# KiCad board SparkFun_RTK_mosaic-T_panelized.kicad_pcb (continued)
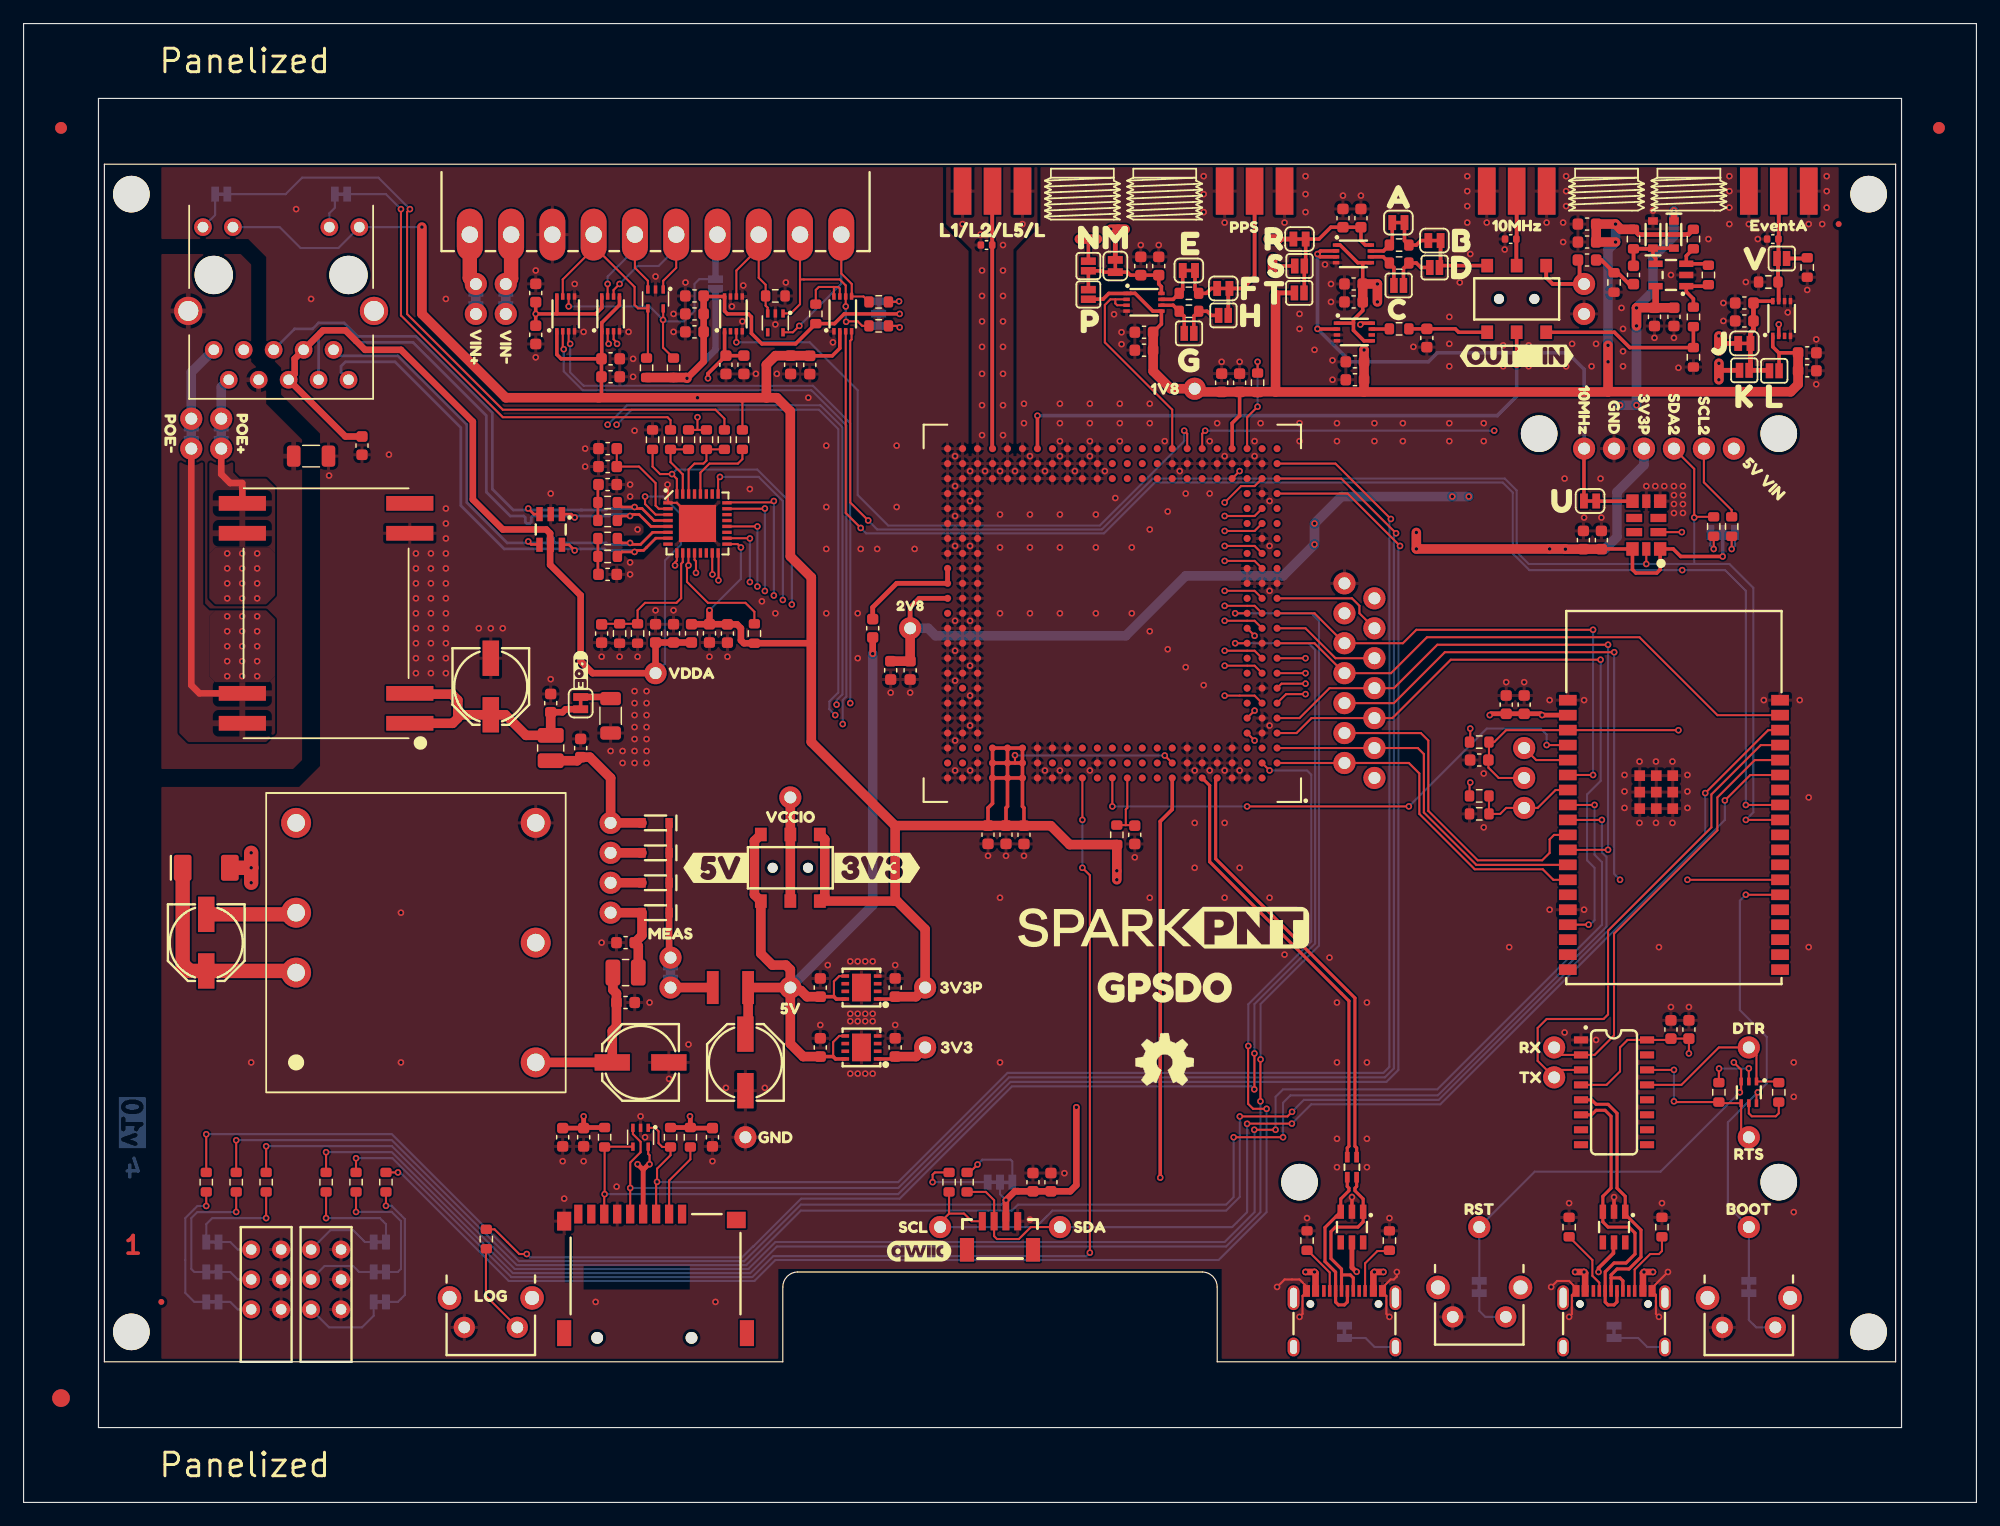
[diagram p0: board, top side]
## Routing (per net, layer and track width the routed paths; a pad name or vN(x,y) marks a point on that pad's centre or on a via; arc(x,y) is an arc through that point) (continued)
ESP19/SCL2: length 142.8
  Top w0.178: R32.2 144.85,84.19 142.49,86.54 TP27.1 ; v1(70.99,82.67) 69.72,83.94 U18.3 ; v1(146.05,59.17) U1.31 ; v1(140.62,82.32) U13.2
  In2.Cu w0.178: TP27.1 142.49,83.18 141.63,82.32 v1(140.62,82.32) 140.65,82.28 v1(140.65,79.09) 140.65,78.85
  Bottom w0.178: v1(70.99,82.67) 71.45,82.21 91.61,82.21 95.93,86.53 125.42,86.53 126.28,85.67 126.28,80.5 127.69,79.09 v1(140.65,79.09) 144.29,79.09 146.05,77.34 v1(146.05,59.17)
ESP21/SDA: length 94.2
  Top w0.178: v1(144.27,59.56) 146.42,61.71 U1.33 ; 107.56,32.12 v1(107.55,32.14) 103.77,32.14 v1(103.75,32.12) ; R4.1 81.59,26.34 82.3,25.64 J7.3 82.3,22.59 82.55,22.34 84.4,22.34 85.42,23.36 TP26.1
  Bottom w0.178: v1(144.27,59.56) 144.27,57.9 120.14,33.77 109.19,33.77 v1(107.55,32.14) ; TP26.1 102.49,23.36 103.75,24.63 v1(103.75,32.12) 103.75,32.25
ESP22/SCL: length 101.1
  Top w0.178: v1(103.13,32.74) 107.17,32.74 v1(107.56,33.14) ; U1.36 147.95,65.52 v1(142.6,60.18) ; 78.48,24.5 R6.1 ; 78.48,24.5 77.72,23.74 TP25.1 ; 78.48,24.5 79.75,24.5 80.4,23.86 J7.4
  Bottom w0.178: 142.62,60.16 v1(142.6,60.18) 142.6,56.75 120.01,34.16 108.58,34.16 v1(107.56,33.14) ; TP25.1 85.85,23.36 87.25,24.76 101.98,24.76 103.13,25.91 v1(103.13,32.74) 103.12,32.76
ESP23/MRX3: length 47.7
  Top w0.178: U2.K1 109.47,72.89 TP16.1 115.96,70.35 119,73.4 137.03,73.4 143.64,66.79 U1.37
ESP25/MRX4: length 37.3
  Top w0.178: U1.10 129.78,56.63 129.41,56.25 129.41,55.11 128.77,54.48 123.31,54.48 119.12,58.67 119.12,64.64 118.49,65.27 TP10.1 ; U2.D3 v1(104.39,64.64)
  In2.Cu w0.178: v1(104.39,64.64) 107.82,64.64 108.45,65.27 TP10.1
ESP26/MCTS1: length 51.5
  Top w0.178: v1(134.36,72.76) 119.88,72.76 116.2,69.08 TP15.1 110.74,69.08 108.2,66.54 U2.E1 ; v1(134.36,55.36) 132.58,55.36 132.58,55.36 U1.11
  Bottom w0.178: v1(134.36,55.36) v1(134.36,72.76)
ESP27/MRTS1: length 31.7
  Top w0.178: U1.12 123.19,54.09 118.74,58.54 118.74,63.49 118.23,64 TP14.1 U2.C1
ESP32/LED_ERROR: length 150.4
  Top w0.178: R12.2 v1(20.57,30.22) ; v1(133.22,59.17) 133.21,59.17 U1.8 ; v1(104.36,31.62) v1(106.17,31.62)
  Bottom w0.178: v1(133.22,59.17) 133.22,54.95 133.85,54.32 133.85,49.01 119.88,35.04 106.8,35.04 106.17,34.41 v1(106.17,31.62) ; v1(20.57,30.22) 20.58,30.23 31.22,30.23 41.65,19.8 61.46,19.8 63.75,22.09 101.85,22.09 104.39,24.63 104.39,31.59 v1(104.36,31.62)
ESP33/LED_LOCK: length 152
  Top w0.178: v1(102.61,30.98) v1(106.8,30.98) ; v1(133.84,57.9) 133.84,57.9 U1.9 ; R13.2 v1(18.03,30.73)
  Bottom w0.178: v1(102.61,30.98) 102.61,25.9 101.98,25.27 84.32,25.27 83.82,24.76 65.91,24.76 61.29,20.13 41.83,20.13 31.22,30.74 18.04,30.74 v1(18.03,30.73) ; v1(133.84,57.9) 133.84,55.15 134.24,54.75 134.24,48.85 119.93,34.54 107.44,34.54 106.8,33.9 v1(106.8,30.98)
ESP34/MTX3: length 42.8
  Top w0.178: v1(133.09,74.03) 118.11,74.03 116.96,72.89 TP17.1 109.47,75.43 U2.M1 ; U1.6 130.96,61.71 v1(133.09,61.71)
  Bottom w0.178: v1(133.09,61.71) v1(133.09,74.03)
ESP35/DeviceSense: length 9
  Top w0.178: 130.95,60.44 129.91,60.44 128.39,58.92 TP24.1 125.73,58.92 125.22,58.41 R8.1 R7.2
ESP36/MRDY: length 44.9
  Top w0.178: U2.A12 v1(92.32,59.05) ; v1(103.75,59.05) v1(117.47,59.05) ; U1.4 129.16,64.25 v1(129.16,64.25)
  Bottom w0.178: v1(117.47,59.05) 124.07,65.65 128.65,65.65 129.16,65.14 v1(129.16,64.25) ; v1(103.75,59.05) v1(92.32,59.05)
ESP_DM: length 24.9
  Top w0.267: J4.A7 135.12,17.01 134.87,16.76 134.36,16.76 134.12,17 J4.B7 134.12,19.56 134.87,20.31 135.89,20.31 136.65,21.07 136.65,22.85 136.14,23.36 134.36,23.36 133.92,23.8 D3.3 133.92,25.97 134.62,26.66 134.62,32.76 134.11,33.27 133.35,33.27 132.97,32.89 U3.6
ESP_DP: length 23
  Top w0.267: J4.A6 134.62,19.04 ; 134.62,19.04 134.62,19.3 135.12,19.8 136.14,19.8 137.16,20.82 137.16,23.11 135.82,24.44 D3.1 135.82,25.97 135.12,26.66 135.12,33.01 134.36,33.77 133.35,33.77 132.97,34.16 132.07,34.16 ; 134.62,19.04 135.38,19.04 135.62,18.8 J4.B6
ESP_~{RST}: length 86.4
  Top w0.178: TP1.1 125.09,61.46 124.22,62.34 C8.1 124.26,63.03 R1.2 124.71,64.51 125.72,65.52 U1.3 140.32,65.52 v1(140.33,65.51) ; v1(145.03,37.33) 145.65,36.71 Q1.3 145.65,34.9 v1(145.54,34.79)
  In2.Cu w0.178: v1(145.03,37.33) 143.12,39.24 143.12,62.73 140.34,65.51 v1(140.33,65.51)
  Bottom w0.178: JP10.2 TP37.1 128.14,28.06 138.81,28.06 v1(145.54,34.79)
ETH_CLK: length 53.9
  Top w0.178: v1(101.85,84.83) 103.25,86.23 104.39,86.23 U2.AA2 ; U4.9 55.4,79.9 55.24,79.75 v1(55.24,79.49)
  In2.Cu w0.178: v1(101.85,84.83) 98.8,84.83 94.1,80.13 56,80.13 v1(55.24,79.49)
ETH_MDC: length 51.6
  Top w0.178: 56.91,80.54 U4.12 56.9,79.97 57.02,79.85 v1(57.02,78.86) 56.91,78.87 ; U2.V2 104.39,82.42 v1(101.85,82.42)
  In2.Cu w0.178: v1(101.85,82.42) 97.41,82.42 94.36,79.37 57.53,79.37 v1(57.02,78.86)
ETH_MDIO: length 60.9
  Top w0.178: R33.2 61.97,75.56 61.21,76.32 58.03,76.32 56.26,78.1 56.26,79.37 v1(56.38,79.49) 56.38,80.54 U4.11 ; U2.W2 104.39,83.69 v1(101.85,83.69)
  In2.Cu w0.178: v1(56.38,79.49) 56.64,79.75 94.23,79.75 98.17,83.69 v1(101.85,83.69)
ETH_RXD0: length 50.4
  Top w0.178: v1(101.85,79.88) 104.39,79.88 U2.R2 ; v1(58.92,78.22) 58.94,78.24 58.94,80.51 U4.16
  In2.Cu w0.178: v1(101.85,79.88) 95.88,79.88 94.61,78.61 93.21,78.61 ; 94.23,78.61 59.31,78.61 v1(58.92,78.22)
ETH_RXD1: length 50.2
  Top w0.178: v1(101.85,81.15) 104.39,81.15 U2.T2 ; v1(58.42,78.73) 58.4,78.75 U4.15
  In2.Cu w0.178: v1(101.85,81.15) 96.64,81.15 94.48,78.99 93.09,78.99 ; 93.59,78.99 58.67,78.99 v1(58.42,78.73)
ETH_RXDV: length 49.8
  Top w0.178: U2.N2 104.39,77.34 v1(101.85,77.34) ; U4.18 61.57,81.8 v1(61.59,81.78)
  In2.Cu w0.178: v1(61.59,78.08) 61.73,78.22 94.61,78.22 95.5,77.34 v1(101.85,77.34)
  Bottom w0.178: v1(61.59,78.08) v1(61.59,81.78)
ETH_RXER: length 51.5
  Top w0.178: v1(101.85,76.07) 104.39,76.07 U2.M2 ; U4.20 62.22,82.8 v1(62.23,82.8)
  In2.Cu w0.178: v1(101.85,76.07) 96.26,76.07 94.48,77.84 62.37,77.84 v1(62.23,77.7)
  Bottom w0.178: v1(62.23,77.7) v1(62.23,82.8)
ETH_TXD0: length 55.8
  Top w0.178: v1(63.62,84.96) 63.51,84.84 59.69,84.84 U4.24 ; U2.J2 104.39,72.26 v1(101.85,72.26)
  In2.Cu w0.178: v1(101.85,72.26) 99.06,72.26 94.23,77.08 63.76,77.08 v1(63.62,76.94)
  Bottom w0.178: v1(63.62,76.94) v1(63.62,84.96)
ETH_TXD1: length 59.4
  Top w0.178: U2.H2 104.39,70.99 v1(101.85,70.99) ; v1(59.05,87) 58.9,86.85 U4.25
  In2.Cu w0.178: v1(101.85,70.99) 99.82,70.99 94.1,76.7 64.53,76.7 v1(64.38,76.56)
  Bottom w0.178: v1(64.38,76.56) 64.38,84.96 62.34,87 v1(59.05,87) 59.05,86.99
ETH_TXEN: length 53.8
  Top w0.178: U2.L2 104.39,74.8 v1(101.85,74.8) ; v1(62.86,84.32) 62.84,84.3 U4.23
  In2.Cu w0.178: v1(62.86,77.32) 63,77.46 94.36,77.46 97.02,74.8 v1(101.85,74.8)
  Bottom w0.178: v1(62.86,77.32) v1(62.86,84.32)
ETH_~{RST}: length 68.7
  Top w0.178: 53.34,89.34 53.34,87.88 53.97,87.24 v1(54.99,87.24) 55.4,86.83 U4.32 ; v1(101.85,68.45) 104.39,68.45 U2.F2
  In2.Cu w0.178: v1(65.15,76.18) 65.29,76.32 93.98,76.32 v1(101.85,68.45)
  Bottom w0.178: v1(65.15,76.18) 65.15,84.7 62.23,87.62 55.37,87.62 v1(54.99,87.24)
LED_LOG: length 126.1
  Top w0.178: v1(105.41,33.39) 104.26,33.39 103.84,33.81 103.84,38.71 v1(103.86,38.73) ; v1(31.75,28) R42.2 ; U2.B2 v1(105.66,62.1)
  Bottom w0.178: v1(103.86,38.73) 103.86,42.26 109.19,47.59 109.19,61.74 108.84,62.1 v1(105.66,62.1) ; v1(31.75,28) 31.94,28 41.14,18.79 61.97,18.79 63.75,20.57 101.34,20.57 105.41,24.63 v1(105.41,33.39)
LED_PVT: length 109
  Top w0.178: U2.A14 v1(89.78,57.9) ; v1(90.42,21.19) 90.42,53.21 v1(89.78,53.84) ; R40.2 v1(28.19,29.2)
  Bottom w0.178: v1(89.78,57.9) v1(89.78,53.84) ; v1(28.19,29.2) 31.28,29.2 41.36,19.12 61.79,19.12 63.57,20.9 90.13,20.9 v1(90.42,21.19)
LED_RTK: length 148
  Top w0.178: U2.M3 v1(102.74,75.43) ; v1(104.88,34.03) 104.88,37.57 v1(104.9,37.58) ; R39.2 v1(25.65,29.71)
  Bottom w0.178: v1(104.88,34.03) 104.88,24.62 101.98,21.71 63.88,21.71 61.62,19.45 41.5,19.45 31.22,29.72 25.66,29.72 v1(25.65,29.71) ; v1(102.74,75.43) 109.22,75.43 109.85,74.8 109.85,47.24 104.9,42.28 v1(104.9,37.58)
LINK: length 6.4
  Top w0.178: U4.30 56.4,87.63 56.89,88.13 57.65,88.13 57.91,88.38 57.91,89.34 59.43,89.34
LOG_BTN: length 119.7
  Top w0.178: v1(42.67,21.07) 42.03,21.07 39.94,23.17 R37.1 ; v1(104.36,35.04) 104.38,35.06 v1(104.38,38.09) ; U2.K3 v1(102.74,72.89)
  Bottom w0.178: v1(42.67,21.07) 42.95,20.79 60.93,20.79 61.84,21.71 61.89,21.71 65.95,25.77 74.29,25.77 83.82,35.3 104.11,35.3 v1(104.36,35.04) ; v1(102.74,72.89) 108.96,72.89 109.52,72.33 109.52,47.41 104.38,42.27 v1(104.38,38.09)
MCTS2: length 95.5
  Top w0.178: v1(46.35,98.29) 46.22,98.42 U9.3 ; U2.J1 v1(108.71,71.62)
  In2.Cu w0.178: v1(108.71,71.62) 105.91,71.62 101.98,67.68 70.23,67.68 v1(70.1,67.81)
  Bottom w0.178: v1(46.35,98.29) 46.35,95.88 47.49,94.73 66.93,94.73 70.1,91.56 v1(70.1,67.81)
MCTS2_I: length 25.1
  Top w0.178: U9.6 46.22,101.47 v1(46.22,101.47) ; D13.5 54.24,100.34 v1(54.22,100.32) 54.22,97.97 R16.2
  Bottom w0.178: v1(46.22,101.47) 53.08,101.47 v1(54.22,100.32) 54.35,100.2 56,100.2 56.89,101.08 56.89,103.37 57.3,103.78 JP15.1
  Bottom w0.559: JP15.1 58.67,107.39 J9.4
MEventA_1V8: length 57.5
  Top w0.178: U2.AC6 99.94,90.67 v1(100.2,90.92)
  Top w0.305: U10.2 148.84,98.97 v1(148.84,99.94)
  In2.Cu w0.178: v1(148.84,99.94) 148.84,97.27 143.89,92.32 135,92.32 133.85,93.46 127.25,93.46 v1(124.71,90.92)
  Bottom w0.178: v1(100.2,90.92) v1(124.71,90.92)
MEventB_1V8: length 56.1
  Top w0.178: 60.46,99.34 U12.3 v1(60.44,98.42) 60.45,98.42 ; v1(98.42,90.92) 98.68,90.67 98.68,89.4
  Bottom w0.178: v1(98.42,90.92) 98.42,90.04 91.26,82.87 73.33,82.87 70.74,85.46 70.74,94.35 66.67,98.42 v1(60.44,98.42)
MEventB_I: length 17
  Top w0.178: D14.3 63.1,101.35 62.93,101.53 R44.1 62.93,103.31 62.34,103.89 J9.3 62.34,106.41 60.44,104.51 U12.6
  Top w0.305: 62.34,106.28 J9.3 62.34,106.18
  Bottom w0.178: 62.34,106.28 J9.3
MOSAIC_DM: length 37.4
  Top w0.267: U2.A6 100.58,60.83 100.58,54.35 112.39,42.54 112.39,30.22 112.25,30.07 TR1.2
MOSAIC_DP: length 37.2
  Top w0.267: 101.22,61.46 101.09,61.33 101.09,54.6 112.9,42.79 112.9,30.22 113.04,30.07 113.04,29.29
MOSAIC_RF_IN: length 21.9
  Top w0.33: J1.1 82.14,111.22 D1.2 82.14,89.56 82.16,89.53 U2.AC20
MPPS_1V8: length 18
  Top w0.178: 92.58,102.07 92.58,101.72 92.73,101.57 U16.3 ; 92.58,102.07 92.16,102.07 91.69,101.59 91.69,98.42 97.41,92.7 U2.AC8 ; 92.58,102.07 U16.2
MRTS2: length 96.4
  Top w0.178: U2.G1 106.68,69.46 v1(108.71,69.46) ; U8.3 50.03,98.68 50.33,98.38 v1(50.33,98.29)
  In2.Cu w0.178: v1(108.71,69.46) 104.77,69.46 102.23,66.92 68.96,66.92 v1(68.83,66.79) ; v1(50.33,98.29) 50.29,98.25 v1(50.29,91.43)
  Bottom w0.178: v1(68.83,66.79) 68.32,67.3 68.32,67.94 69.08,68.7 69.08,91.05 67.43,92.7 51.56,92.7 v1(50.29,91.43)
MRTS2_O: length 13.6
  Top w0.178: v1(50.54,103.37) 50.03,102.86 U8.6 ; D13.1 54.24,103.64 55.34,104.74 J9.5
  Bottom w0.178: J9.5 55.34,106.39 53.84,104.89 52.07,104.89 v1(50.54,103.37)
MRX2: length 97.9
  Top w0.178: v1(108.71,68.57) 107.06,68.57 U2.F1 ; v1(45.8,97.83) 45.84,97.79 45.84,97.78 45.72,97.91 U9.2
  In2.Cu w0.178: v1(69.47,66.03) 69.97,66.54 102.36,66.54 104.39,68.57 v1(108.71,68.57)
  Bottom w0.178: v1(69.47,66.03) 69.47,68.06 69.77,68.37 69.77,91.38 66.8,94.35 47.41,94.35 45.8,95.96 v1(45.8,97.83)
MRX2_I: length 19.2
  Top w0.178: R41.2 52.94,97.2 D13.4 52.1,101.3 51.81,101.59 51.81,103.12 48.34,106.59 J9.7 48.34,106.38 45.72,103.76 U9.7
MTX2: length 96.8
  Top w0.178: U2.H1 v1(108.71,70.35) ; v1(49.61,98.29) 49.53,98.37 U8.2
  In2.Cu w0.178: v1(49.53,91.43) 49.53,98.29 v1(49.61,98.29) ; v1(68.94,67.68) 68.96,67.68 69.35,67.29 80.5,67.29 80.51,67.3 102.1,67.3 105.15,70.35 v1(108.71,70.35)
  Bottom w0.178: v1(49.53,91.43) 51.18,93.08 67.56,93.08 69.44,91.2 69.44,68.55 68.94,68.05 v1(68.94,67.68)
MTX2_O: length 11.3
  Top w0.178: J9.6 51.84,104.74 52.94,103.64 D13.3 ; U8.7 49.53,102.55 49.53,102.56 v1(49.53,103.37)
  Bottom w0.178: J9.6 51.84,106.32 49.53,104.01 v1(49.53,103.37)
POE+: length 3.6
  Bottom w0.813: JP4.1 16.76,94.61 J5.9
POE-: length 6.6
  Bottom w0.813: J5.10 14.22,95.88 JP5.1
RD+: length 48.3
  Top w0.229: R22.1 50.73,83.69 v1(51.43,83.69) 51.56,83.81 52.19,83.81 53.21,82.8 U4.5 ; v1(46.73,83.56) 46.45,83.84 D6.1
  Bottom w0.229: v1(51.43,83.69) 51.3,83.81 49.78,83.81 49.65,83.69 46.86,83.69 v1(46.73,83.56) 46.6,83.69 43.18,83.69 43.05,83.56 43.05,83.18 42.92,83.05 42.67,83.05 42.54,83.18 42.54,83.56 42.41,83.69 41.27,83.69 39.24,85.72 39.24,92.19 33.02,98.42 28.06,98.42 26.92,99.56 25.27,99.56 25.02,99.31 J5.3
RD-: length 48.5
  Top w0.229: R21.1 50.73,84.45 v1(51.81,84.45) 51.94,84.32 52.45,84.32 53.47,83.3 U4.4 ; D6.3 43.27,83.84 v1(42.79,84.32)
  Bottom w0.229: J5.6 22.98,99.56 24.51,99.56 25.02,100.07 27.17,100.07 28.32,98.93 33.27,98.93 39.75,92.45 39.75,85.97 41.53,84.19 42.67,84.19 v1(42.79,84.32) 42.92,84.19 47.37,84.19 47.24,84.19 49.4,84.19 49.53,84.32 51.69,84.32 v1(51.81,84.45)
REF_IN: length 49.5
  Top w0.305: 126.62,99.28 v1(126.62,96.51) ; U2.AC17 v1(85.97,92.19)
  Bottom w0.305: v1(126.62,96.51) 126.62,93.85 124.96,92.19 v1(85.97,92.19)
SCL2_IO: length 17
  Top w0.178: J9.2 65.84,103.75 ; 65.84,103.75 65.84,101.65 65.06,100.87 D14.1 ; 65.84,103.75 69.21,103.75 69.72,103.25 U18.6 69.72,101.47 v1(69.72,101.47) ; R55.1 71.12,99.81 70.74,100.2 69.72,100.2 v1(69.75,100.16)
  Bottom w0.178: v1(69.72,101.47) 69.72,100.2 v1(69.75,100.16)
SD_CLK: length 134.4
  Top w0.178: D7.3 51.67,31.25 52.32,30.6 52.32,29.71 51.44,28.83 v1(51.44,26.68) 51.44,26.67 J6.5 ; v1(116.39,82.22) 111.74,86.86 U2.AA1
  Bottom w0.178: v1(116.39,82.22) 116.2,82.03 116.2,36.82 115.44,36.06 83.56,36.06 74.18,26.68 v1(51.44,26.68) 51.43,26.66
SD_CMD: length 133.7
  Top w0.178: D7.1 53.55,31.78 53.84,31.49 53.84,30.47 54.16,30.16 54.86,30.16 54.86,29.46 53.72,28.31 v1(53.72,27.2) 53.64,27.12 J6.3 ; U2.AB1 111.25,88.13 v1(115.95,83.43)
  Bottom w0.178: v1(53.72,27.2) 53.72,27.17 74.16,27.17 83.44,36.44 115.31,36.44 115.82,36.95 115.82,83.3 v1(115.95,83.43)
SD_DATA: length 136.6
  Top w0.178: D7.4 49.3,30.18 49.27,30.16 v1(49.27,26.15) 49.24,26.12 J6.7 ; v1(116.72,81.15) 112.28,85.59 U2.Y1
  Bottom w0.178: v1(116.72,81.15) 116.58,81 116.58,36.7 115.57,35.68 83.69,35.68 74.16,26.15 v1(49.27,26.15)
SDA2_IO: length 18.1
  Top w0.178: R54.1 71.23,102.31 U18.5 70.22,102.58 70.23,102.59 70.23,103.37 69.34,104.26 J9.1 ; D14.5 65.24,99.27 v1(65.78,99.81)
  Bottom w0.178: J9.1 69.34,103.37 v1(65.78,99.81)
SPEED: length 5.7
  Top w0.178: U4.31 55.9,87.22 54.86,88.26 54.86,89.34 56.38,89.34
TD+: length 43.3
  Top w0.229: v1(46.73,80.76) 46.25,81.24 D6.6 ; U4.7 53.61,81.8 52.57,80.76 51.94,80.76 v1(51.81,80.64) 50.73,80.64 R19.2
  Bottom w0.229: v1(51.81,80.64) 51.69,80.76 49.4,80.76 49.27,80.89 46.86,80.89 v1(46.73,80.76) 46.6,80.89 40.76,80.89 37.08,84.57 37.08,91.18 31.49,96.77 27.3,96.77 26.92,96.39 26.92,95.88 J5.1
TD-: length 42.7
  Top w0.229: D6.4 43.72,81.27 43.05,81.27 v1(42.79,81.53) ; R20.2 50.73,81.4 v1(51.43,81.4) 51.56,81.27 52.32,81.27 53.35,82.3 U4.6
  Bottom w0.229: v1(51.43,81.4) 51.3,81.27 49.53,81.27 49.4,81.4 45.08,81.4 44.95,81.53 44.95,81.78 44.83,81.91 44.57,81.91 44.45,81.78 44.45,81.53 44.32,81.4 42.92,81.4 v1(42.79,81.53) 42.67,81.4 41.02,81.4 37.59,84.83 37.59,91.43 31.75,97.27 26.79,97.27 J5.2
VANT: length 9.5
  Top w0.406: L1.2 72,75.94 74.04,77.97 U2.P23 U2.R23
VUSB: length 173
  Top w0.178: 113.03,19.55 v1(113.05,19.57)
  Top w0.305: v1(96.39,27.55) 96.39,57.78 97.41,58.79 U2.A8
  Top w0.406: 113.03,19.55 112.65,19.93 D2.5
  Top w0.559: J2.VBUS 114.46,19.46 v1(114.55,19.55) v1(115.31,19.55) ; J2.VBUS 109.56,19.46 v1(109.47,19.55) v1(108.71,19.55)
  Top w0.813: D4.A TP8.1
  In2.Cu w1.219: TP8.1 39.62,55.11 34.54,50.03 34.54,30.22 42.41,22.34 61.97,22.34 69.34,29.71 94.23,29.71 v1(96.39,27.55) 104.39,19.55 v1(108.71,19.55) v1(109.47,19.55) v1(114.55,19.55) v1(115.31,19.55)
VUSB2: length 157
  Top w0.178: 133.6,19.57 133.6,19.55 133.56,19.55 v1(133.55,19.55)
  Top w0.305: v1(133.55,19.55) 133.55,19.89 134.82,21.15 134.82,22.06
  Top w0.559: v1(131.57,19.55) v1(132.33,19.55) 132.42,19.46 J4.VBUS ; J4.VBUS 137.32,19.46 v1(137.41,19.55) v1(138.17,19.55)
  Top w0.813: D5.A TP9.1
  In2.Cu w1.219: v1(138.17,19.55) v1(137.41,19.55) v1(132.33,19.55) v1(131.57,19.55) 129.79,19.55 128.27,21.07 105.15,21.07 94.99,31.23 68.83,31.23 61.46,23.87 42.92,23.87 36.06,30.73 36.06,49.27 39.37,52.57 TP9.1
Net-(A.1-A): length 3.8
  Top w0.305: A.1.1 116.06,106.91 R46.2 115.32,106.17 U15.7
Net-(A.1-B): length 3.9
  Top w0.305: B.1.1 118.49,107.05 118.11,106.67 R46.1 117.1,107.04 A.1.2
Net-(C11-Pad2): length 3.1
  Top w0.229: 48.7,81.78 48.7,78.78 C11.2
Net-(C12-Pad1): length 3.1
  Top w0.229: C12.1 48.7,86.3 48.7,83.3
Net-(C75-Pad2): length 4
  Top w0.33: C76.1 136.15,103.36 135.19,104.32 R50.2 133.79,105.4 C75.2
Net-(C.1-A): length 3.9
  Top w0.305: U15.6 115.3,105.67 R49.2 116.2,104.77 116.2,103.24
Net-(C.1-B): length 4
  Top w0.305: C.1.2 117.01,104.69 R49.1 118.11,105.15 118.49,104.77 D.1.1
Net-(D2-I/O1): length 14.8
  Top w0.267: J2.A6 111.76,19.29 ; 111.76,19.29 111.76,19.8 110.87,20.69 110.87,22.98 111.25,23.36 113.15,23.36 113.59,23.8 D2.1 113.59,25.75 112.9,26.45 112.9,26.66 113.04,26.81 113.04,27.59 ; 111.76,19.29 111.76,19.3 112.52,19.3 112.76,19.05 J2.B6
Net-(D2-I/O2): length 14.1
  Top w0.267: J2.A7 112.26,17.01 112.01,16.76 111.5,16.76 111.26,17 J2.B7 111.26,19.54 110.36,20.44 110.36,23.32 111.26,24.22 111.38,24.22 111.38,24.34 D2.3 111.69,25.75 112.39,26.45 112.39,26.66 112.25,26.81 TR1.1
Net-(D15-A2): length 9.5
  Top w0.33: J3.1 148.84,107.21 D15.2 148.81,105.65 V.1.2 148.78,105.44 R43.1 148.83,103.48 U10.7
Net-(E.1-A): length 3.8
  Top w0.305: E.1.1 98.29,102.88 R45.2 97.48,102.07 U16.7
Net-(E.1-B): length 3.8
  Top w0.305: E.1.2 99.34,102.89 R45.1 100.29,102.58 100.71,102.99 F.1.1
Net-(F.1-B): length 12.1
  Top w0.33: J12.1 104.39,104.01 103.37,102.99 F.1.2 102.15,102.89 H.1.2
Net-(G.1-A): length 3.8
  Top w0.305: 98.42,99.18 98.42,100.63 R48.2 97.48,101.57 U16.6
Net-(G.1-B): length 3.9
  Top w0.305: H.1.1 100.71,100.7 100.36,101.05 R48.1 99.23,100.64 G.1.2
Net-(J2-CC1): length 4.3
  Top w0.178: R9.2 108.88,21.39 110.76,19.51 J2.A5
Net-(J2-CC2): length 4.9
  Top w0.178: J2.B5 113.76,20.28 114.8,21.33 115.76,21.33 R10.2
Net-(J2-SHIELD): length 4.6
  Bottom w0.178: J2.S 114.56,13.19 113.8,13.95 JP8.2
Net-(J4-CC1): length 5.7
  Top w0.178: J4.A5 133.62,18.64 133.03,19.23 133.03,20.56 R15.2
Net-(J4-CC2): length 6
  Top w0.178: J4.B5 136.62,19.75 137.94,21.07 138.68,21.07 138.93,21.33 R14.2
Net-(J4-SHIELD): length 4.6
  Bottom w0.178: JP9.2 136.91,13.95 137.68,13.19 J4.S
Net-(J5-GRN-): length 3.2
  Bottom w0.178: J5.14 16.24,109.22 JP13.1
Net-(J5-YLW-): length 3
  Bottom w0.178: JP12.1 26.4,109.83 25.93,109.37 J5.12
Net-(J6-DAT3/CD): length 6.4
  Top w0.178: 56.54,30.16 56.54,29.11 54.74,27.3 J6.2
Net-(J.1-A): length 9.3
  Top w0.305: C63.1 146.85,101.91 U10.8
  Top w0.406: C63.1 C61.1 146.69,99.48 146.44,99.23 J.1.1 146.44,96.16 K.1.1 148.02,96.04 L.1.1
Net-(JP1-A): length 6.8
  Top w0.178: R6.2 77.28,28 77.09,27.81 v1(77.09,27.17)
  Bottom w0.178: JP1.1 v1(77.09,27.17)
Net-(JP1-B): length 6.1
  Top w0.178: R4.2 80.22,28 v1(80.9,28.67)
  Bottom w0.178: v1(80.9,28.67) 81.3,29.08 83.69,29.08 83.84,28.92 JP1.3
Net-(JP2-B): length 65
  Top w1.219: v1(19.3,53.84) v1(19.3,52.57) ; v1(19.3,53.84) D8.A ; v1(19.3,53.84) v1(19.3,55.11)
  In1.Cu w1.219: v1(19.3,53.84) v1(19.3,55.11) ; v1(19.3,53.84) 24.89,53.84 27.94,56.89 27.94,90.42 JP2.2 ; v1(19.3,53.84) v1(19.3,52.57)
Net-(JP3-B): length 67
  Top w1.219: C35.2 22.97,49.89 U6.2
  In1.Cu w1.219: JP3.2 40.89,99.31 40.38,98.8 38.35,98.8 29.46,89.91 29.46,56.38 U6.2
Net-(JP6-A): length 11.5
  Top w0.559: D10.C D4.C D5.C D9.C 54.74,46.34 JP6.1
Net-(JP6-B): length 3.6
  Top w0.813: JP6.2 F1.2
Net-(JP7-A): length 2.6
  Top w0.559: 49.78,68.2 49.64,68.33 JP7.1
Net-(JP7-B): length 23.4
  Top w0.559: JP7.2 45.96,67.29 45.7,67.04 C37.1
  Top w0.813: C37.1 L4.1 42.61,65.08 40.86,66.82 C36.1 37.05,66.82 36.83,67.05 ; U7.2 32.82,68.57 36.32,68.57 36.83,68.06 36.83,67.05 ; U7.1 36.39,66.1 36.83,66.54 36.83,67.05
Net-(JP10-A): length 4
  Bottom w0.178: SW1.2 123.95,15.74 123.44,16.25 JP10.1
Net-(JP11-A): length 4.8
  Bottom w0.178: JP11.1 146.3,15.49 146.94,14.85 SW2.2
Net-(JP12-B): length 41.5
  Top w0.178: R17.2 54.86,91.81 54.61,92.07 40.64,92.07 32,100.7 v1(32,109.72)
  Bottom w0.178: JP12.2 30.73,110.99 v1(32,109.72)
Net-(JP13-B): length 57.7
  Top w0.178: R18.2 59.43,91.94 58.67,92.7 40.64,92.7 32.52,100.82 32.52,109.48 v1(32.76,109.72)
  Bottom w0.178: v1(32.76,109.72) 30.09,112.39 23.62,112.39 22.22,110.99 JP13.2
Net-(JP14-A): length 2.6
  Top w0.178: R32.1 v1(144.85,80.88)
  Bottom w0.178: JP14.1 145.12,81.16 v1(144.85,80.88)
Net-(JP14-B): length 2.6
  Top w0.178: R31.1 v1(143.32,80.88)
  Bottom w0.178: JP14.3 143.04,81.16 v1(143.32,80.88)
Net-(JP16-A): length 9
  Top w0.178: R12.1 v1(20.57,24.12)
  Bottom w0.178: JP16.1 15.49,23.61 16,24.12 v1(20.57,24.12)
Net-(JP16-B): length 3
  Bottom w0.178: JP16.2 17.52,22.09 18.16,21.46 D11.ANODE_1
Net-(JP17-A): length 11.4
  Top w0.178: R13.1 v1(18.03,24.64)
  Bottom w0.178: JP17.1 14.47,19.55 14.22,19.8 14.22,24.12 14.73,24.63 18.02,24.63 v1(18.03,24.64)
Net-(JP17-B): length 3
  Bottom w0.178: D11.ANODE_2 18.16,18.92 17.52,19.55 JP17.2
Net-(JP18-A): length 11.8
  Top w0.178: R38.1 v1(15.49,25.15)
  Bottom w0.178: v1(15.49,25.15) 14.74,25.15 13.71,24.12 13.71,17.77 14.47,17.01 JP18.1
Net-(JP18-B): length 3
  Bottom w0.178: JP18.2 17.52,17.01 18.16,16.38 D11.ANODE_3
Net-(JP19-A): length 9
  Top w0.178: v1(25.65,24.12) R39.1
  Bottom w0.178: v1(25.65,24.12) 30.22,24.12 30.73,23.61 JP19.1
Net-(JP19-B): length 6.4
  Bottom w0.178: JP19.2 28.95,22.09 27.94,23.11 26.03,23.11 D12.ANODE_1
Net-(JP20-A): length 11.3
  Top w0.178: R40.1 v1(28.19,24.64)
  Bottom w0.178: JP20.1 31.75,19.55 32,19.8 32,23.87 31.22,24.64 v1(28.19,24.64)
Net-(JP20-B): length 6
  Bottom w0.178: JP20.2 28.44,19.55 27.94,20.06 25.52,20.06 D12.ANODE_2
Net-(JP21-A): length 11.5
  Top w0.178: R42.1 v1(30.73,25.16)
  Bottom w0.178: JP21.1 31.75,17.01 32.33,17.59 32.33,24.05 31.21,25.16 v1(30.73,25.16)
Net-(JP21-B): length 7.5
  Bottom w0.178: JP21.2 29.69,15.84 28.7,14.85 25.9,14.85 D12.ANODE_3
Net-(JP22-A): length 2.8
  Top w0.178: v1(74.29,99.69) 74.16,99.81 R55.2
  Bottom w0.178: JP22.1 74.16,99.81 v1(74.29,99.69)
Net-(JP22-B): length 2.7
  Top w0.178: v1(74.24,101.9) 74.19,101.85 R54.2
  Bottom w0.178: 74.29,101.85 v1(74.24,101.9) JP22.3
Net-(M.1-A): length 9.4
  Top w0.305: U16.8 96.49,103.15 96.26,103.37 C67.1 C65.1 93.86,104.12 93.61,104.37 M.1.1 91.58,104.37 91.46,104.49 N.1.1 P.1.1
Net-(Q1A-B1): length 4.9
  Top w0.178: R3.1 143.76,36.8 v1(143.77,36.81) ; Q1.2 v1(146.3,36.82)
  Bottom w0.178: v1(146.3,36.82) 146.29,36.81 v1(143.77,36.81) 143.76,36.82
Net-(Q1B-B2): length 4.6
  Top w0.178: Q1.5 146.3,33.01 146.55,32.76 148.59,32.76 148.84,33.01 148.84,33.97
Net-(R37-Pad2): length 7.8
  Top w0.178: SW3.2 39.21,17.51 39.21,21.49 39.24,21.52
Net-(R52-Pad1): length 4
  Top w0.305: R58.2 141.6,102.1 141,102.7 U17.1 142.75,103.18 R52.1
Net-(R.1-A): length 11.8
  Top w0.305: 108.61,102.61 S.1.1 108.72,105.01 R.1.1 109.85,107.18 110.85,108.18 C49.1 C51.1 113.41,107.05 113.79,106.67 U15.8
Net-(U1-IA39): length 4.1
  Top w0.178: TP43.1 128.27,62.98 U1.5
Net-(U2-COM3_CTS): length 9.7
  Top w0.178: U2.N1 112.65,76.7 113.28,76.07 113.28,75.43 TP19.1
Net-(U2-COM3_RTS): length 9.3
  Top w0.178: U2.L1 108.71,74.16 111.25,71.62 TP18.1
Net-(U2-GPIO_1): length 19.8
  Top w0.178: U2.AA4 v1(103.12,87.5)
  In2.Cu w0.178: v1(103.12,87.5) 103.12,84.57 107.95,79.75 113.66,79.75 114.55,78.86 TP20.1
Net-(U2-GPIO_2): length 9.3
  Top w0.178: U2.L3 v1(104.39,73.53)
  In2.Cu w0.178: v1(104.39,73.53) 107.82,73.53 109.72,75.43 TP21.1
Net-(U2-SYNC): length 8.7
  Top w0.178: R5.1 v1(104.64,96.77) ; v1(104.64,92.96) 103.75,92.07 U2.AC3
  Bottom w0.178: v1(104.64,92.96) v1(104.64,96.77)
Net-(U2-~{RESET}): length 5.6
  Top w0.178: U2.A11 93.59,58.92 93.47,58.79 93.47,57.46 ; C3.2 94.18,57.46 93.47,57.46 ; 93.47,57.46 R11.1
Net-(U4-COL/CONFIG0): length 6.7
  Top w0.178: U4.28 57.4,87.36 58.16,88.13 60.57,88.13 60.96,88.51 60.96,89.34
Net-(U4-REXT): length 12.2
  Top w0.178: U4.10 55.9,79.77 55.76,79.63 55.76,76.71 55.37,76.32 52.7,76.32 52.07,75.68 R26.1 R25.1 49.07,74.54 C15.1
Net-(U4-VDDP_1.8): length 8.5
  Top w0.178: 50.3,89.4 50.3,87.88 52.19,87.88 53.59,86.48 53.59,84.57 53.86,84.3 U4.2
Net-(U6-VIN+): length 18.1
  Top w1.219: D8.C 13.49,45.68 14.08,45.09 C35.1 22.97,45.09 U6.1
Net-(U6-VOUT+): length 159.6
  Top w0.813: L3.1 49.97,43.49 50.28,43.19 C33.1 50.28,40.37 49.92,40.01 C32.1 U6.6
  In2.Cu w1.219: U6.6 51.94,37.33 62.35,47.74 117.85,47.74 121.15,51.05 121.15,73.4 124.71,76.95 144.9,76.95 147.19,79.24 147.19,84.45 145.03,86.61 TP45.1
Net-(U14-1B): length 1.5
  Top w0.305: R30.2 115.8,99.54 U14.7
Net-(U17-+): length 3.5
  Top w0.305: R52.2 142.75,105.08 U17.3 141,105.75 R57.2
